# Altium PCB RFID final.PcbDoc (part 1 of 3)
Units mil, origin at the board's own origin, x right, y up, seen from the top; angles counter-clockwise.
Board outline 3215.77 x 4275.01 mil, 6 copper layers (Top Layer, RF_Ground, Power, Gnd, Routing, Bottom_Gnd), stack 29.392 mil thick; 305 components, 201 nets, 969 pads, 176 vias.
Unrouted connection lines stored in the file: 31.
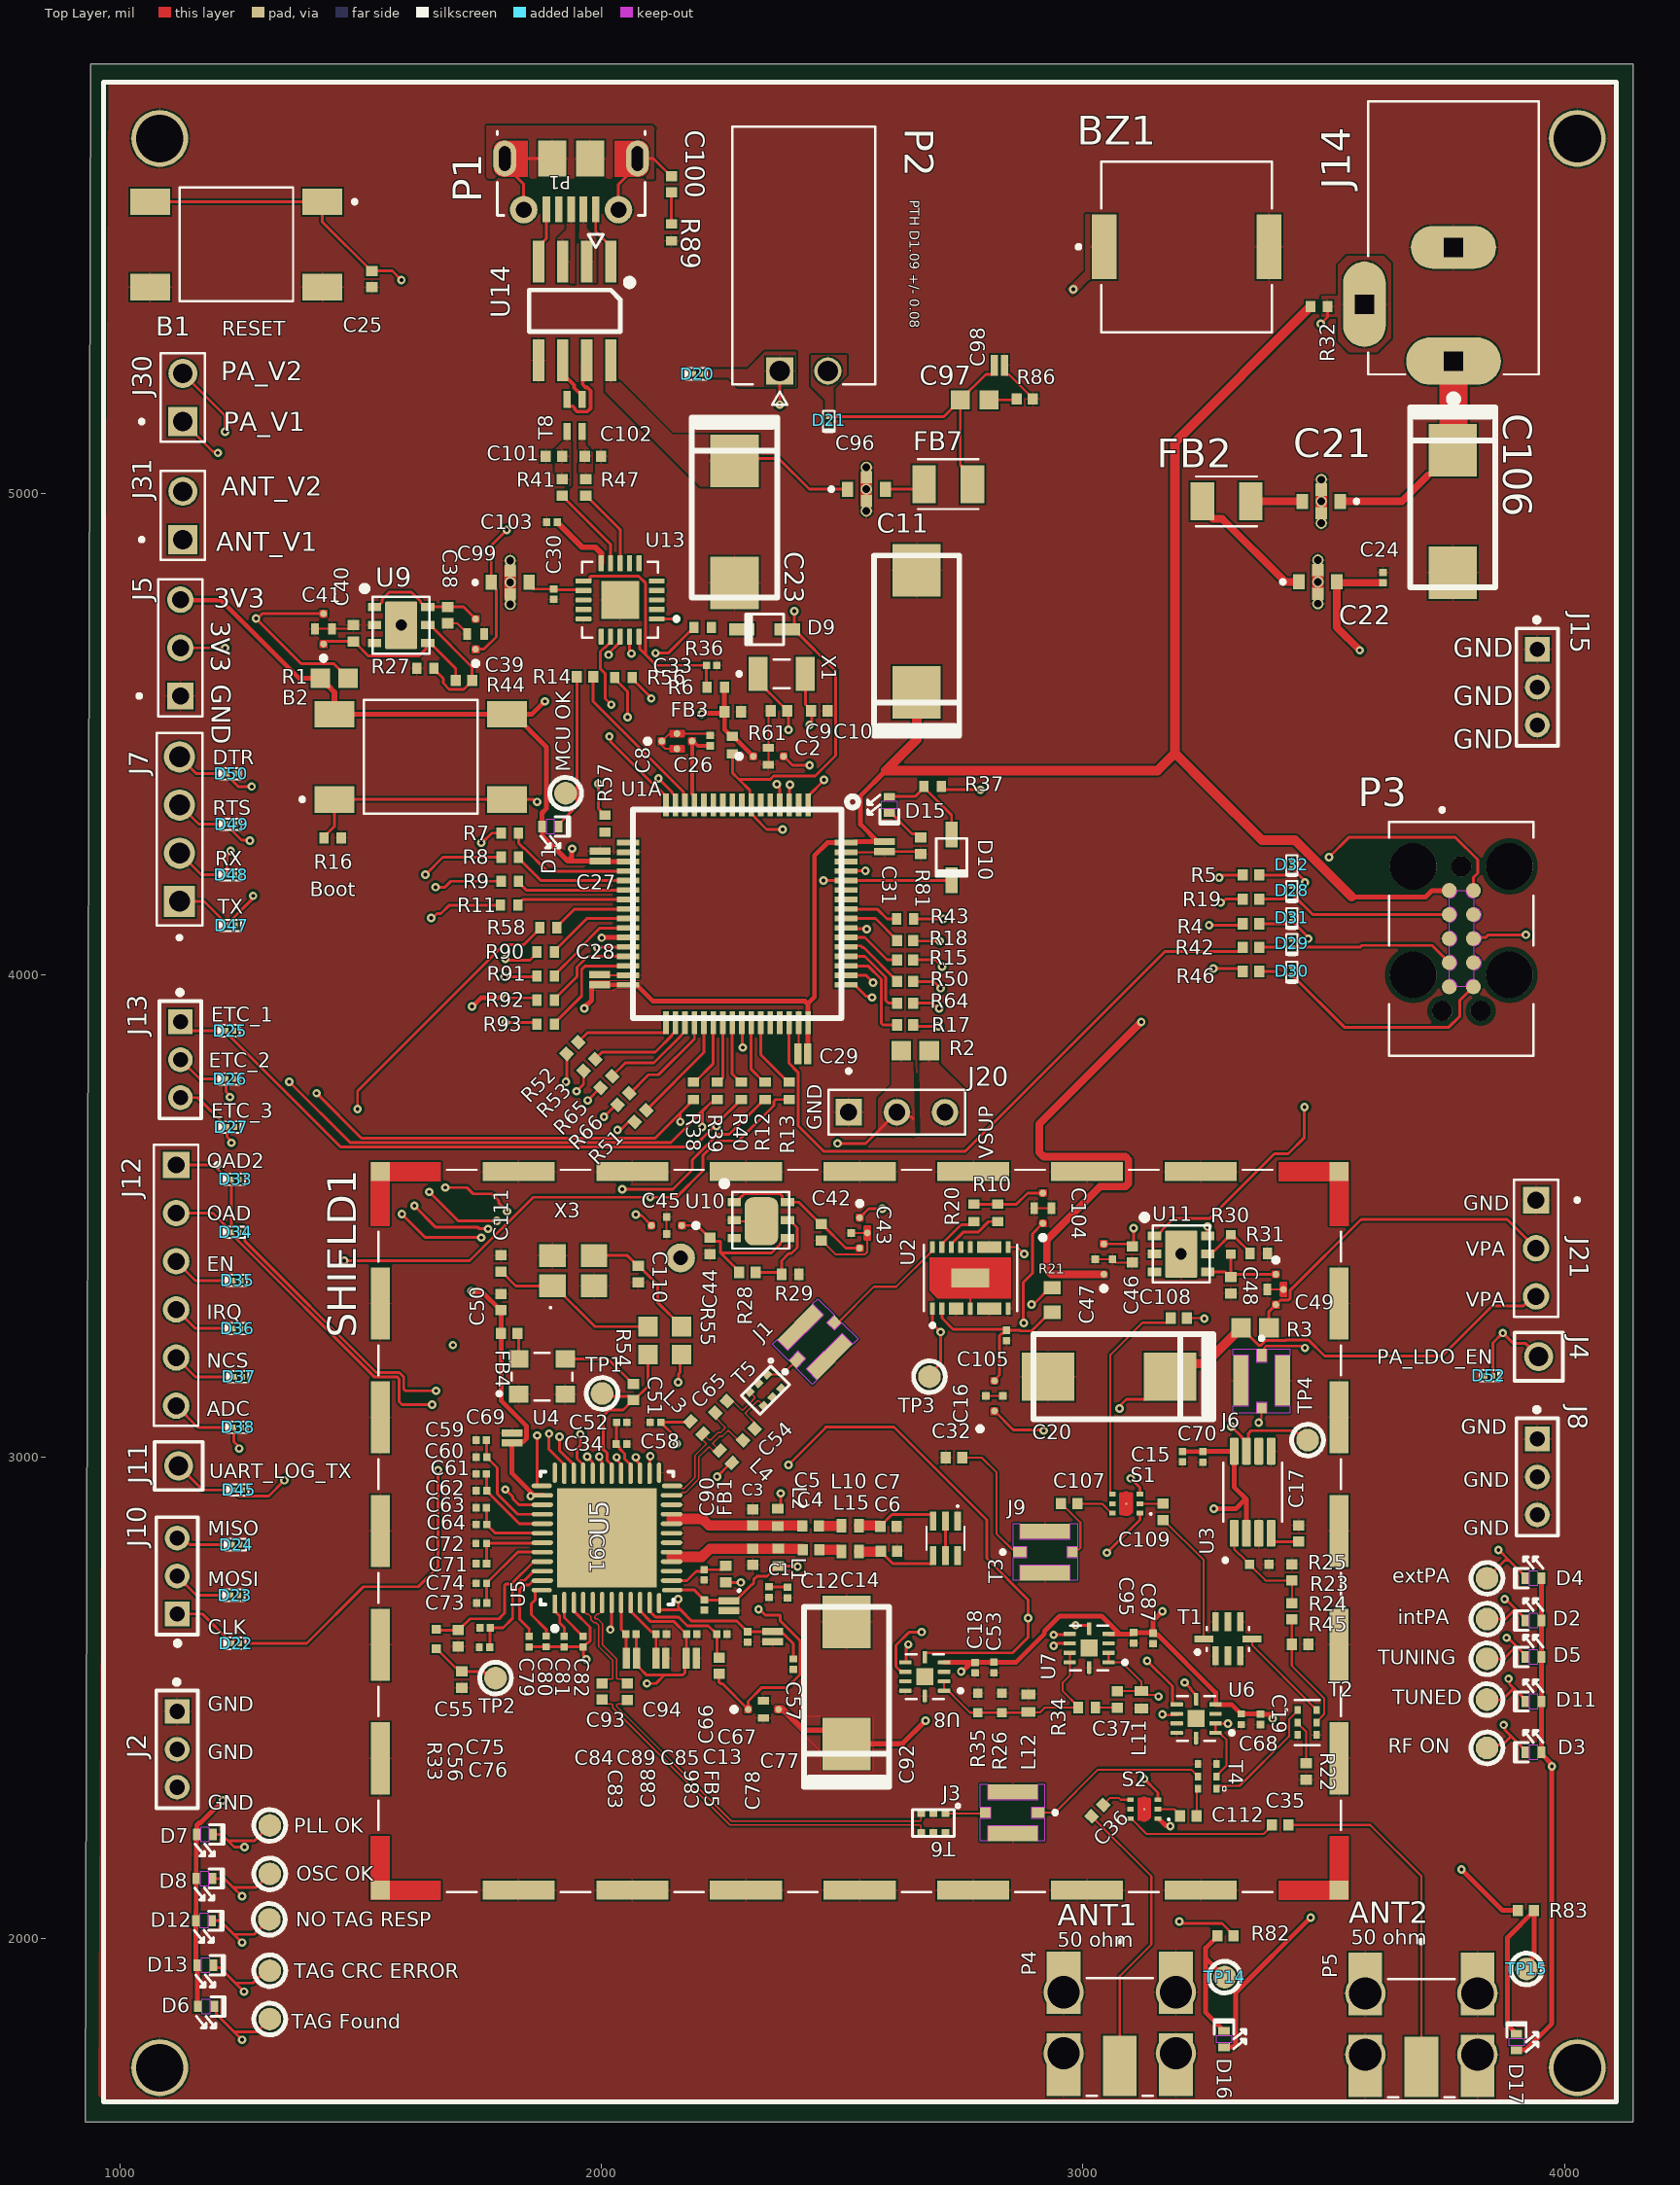
[diagram p0: Top Layer view]
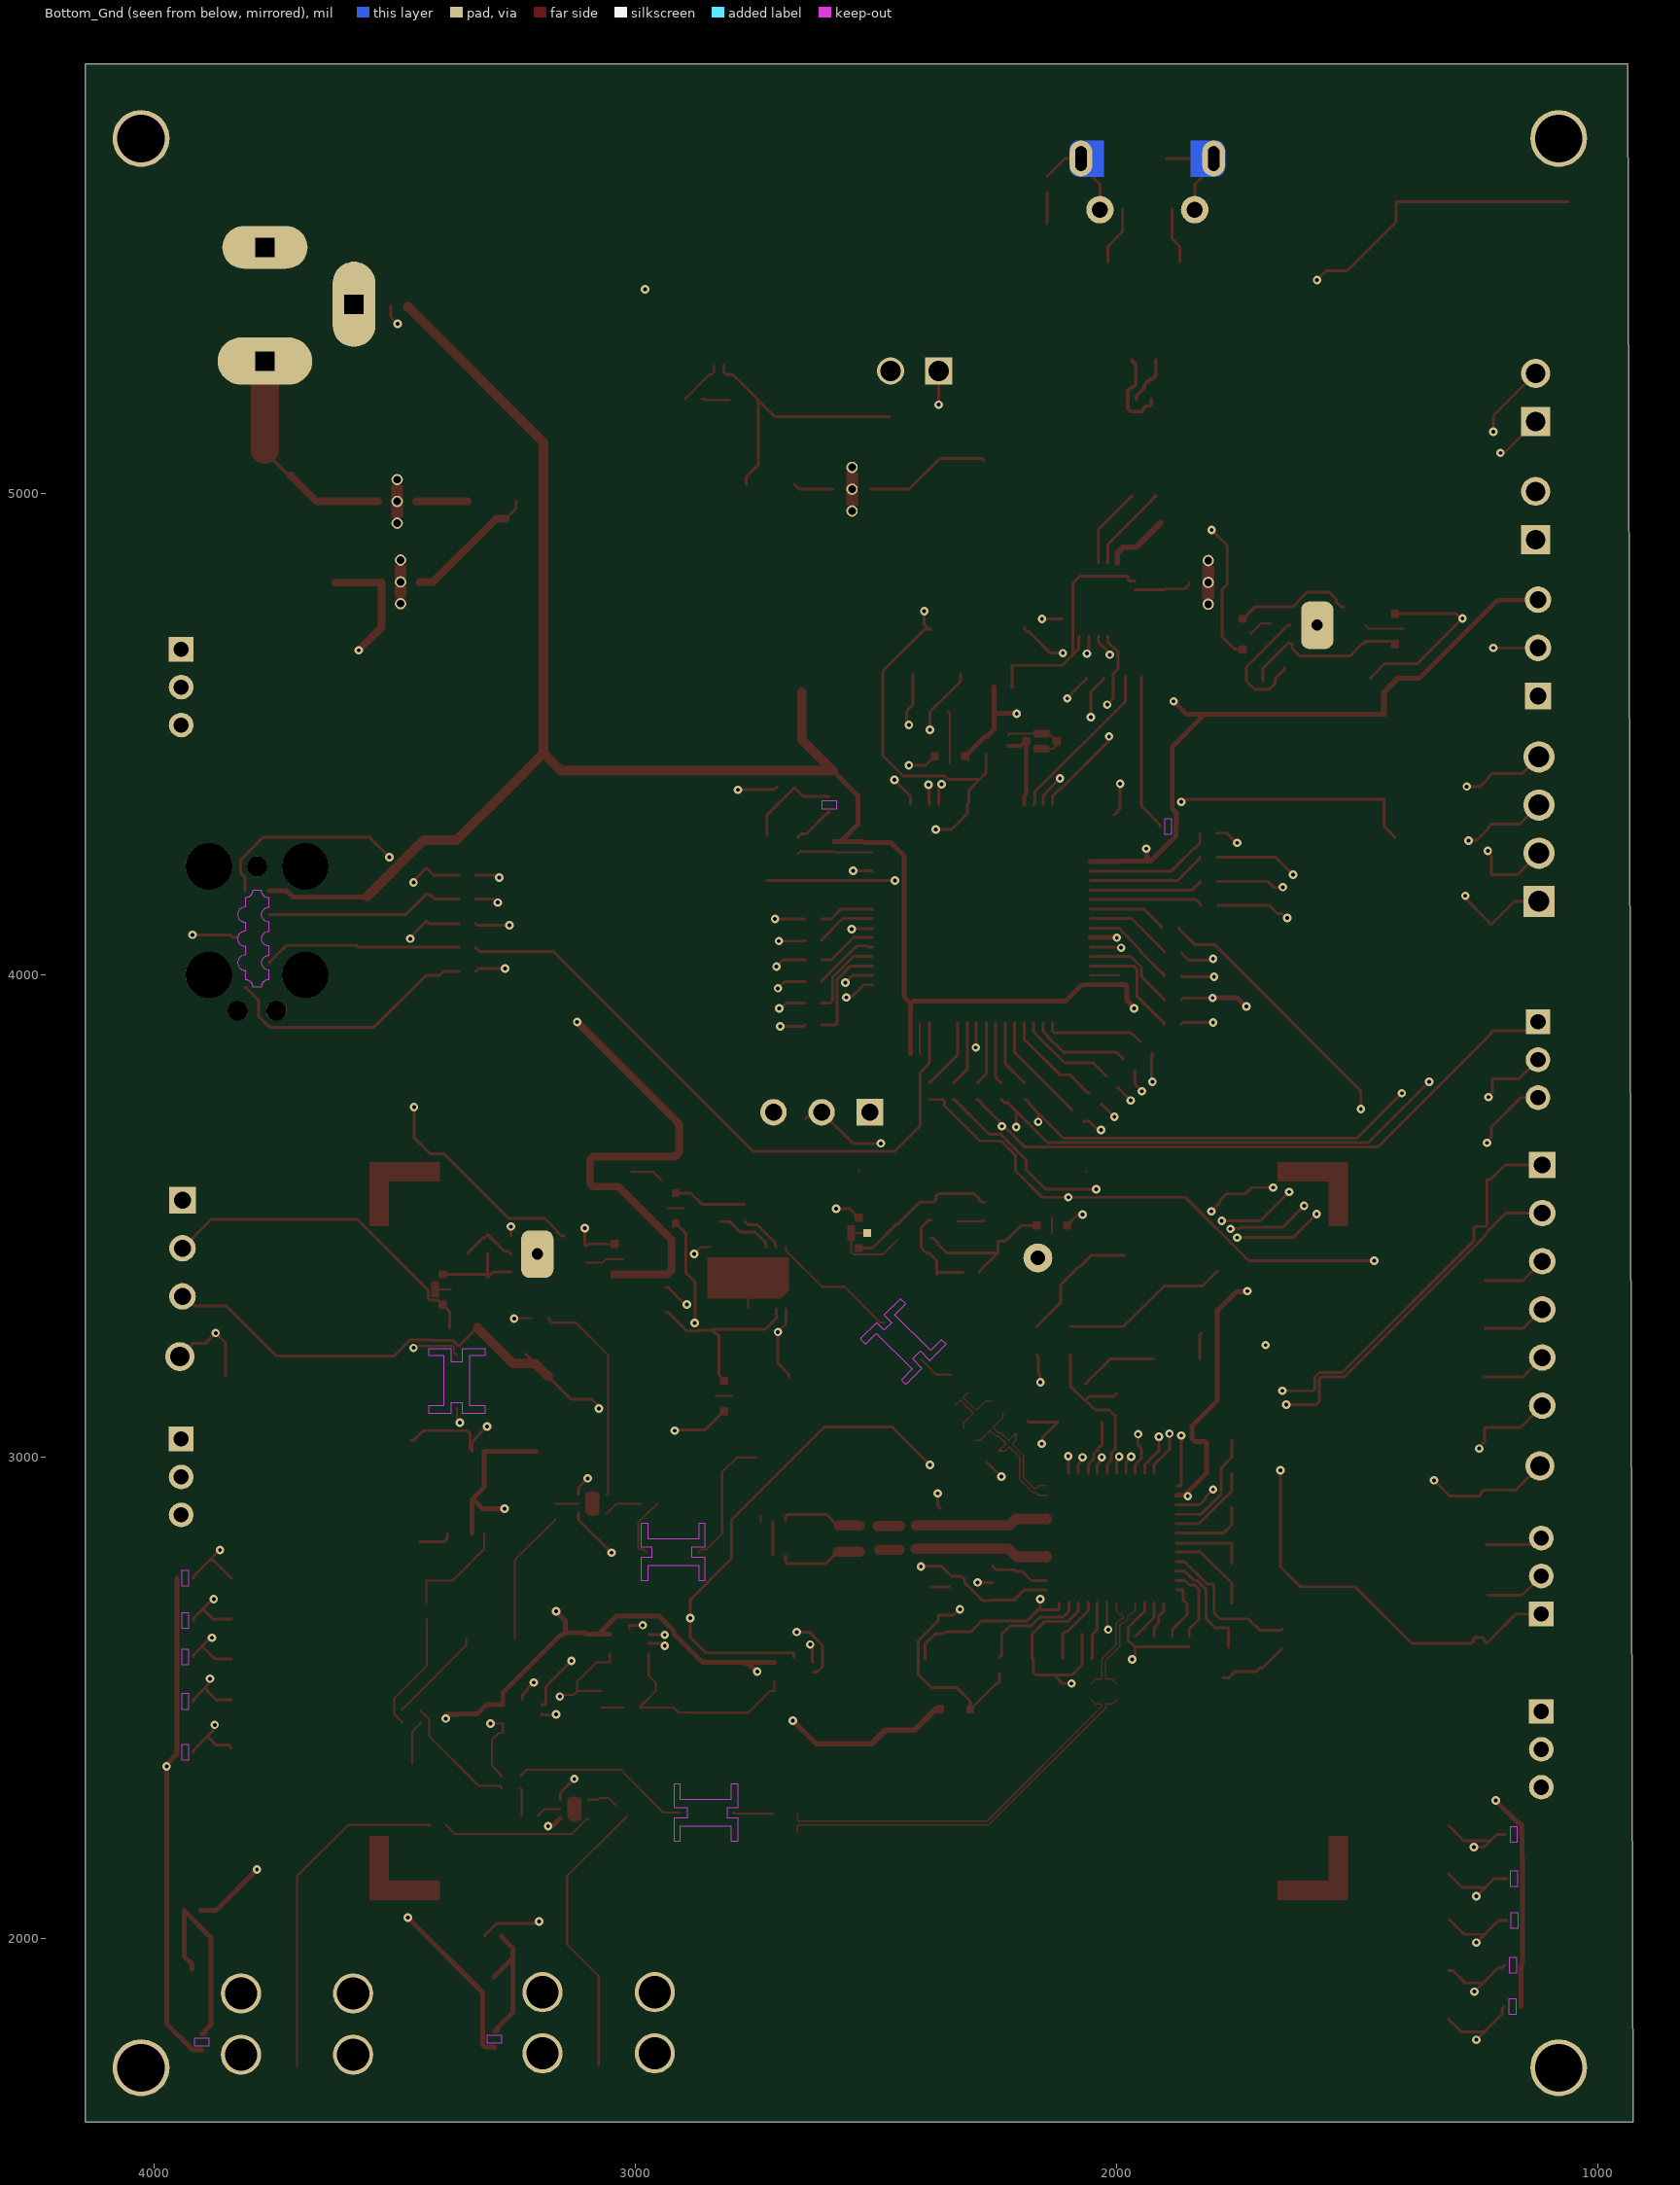
[diagram p1: Bottom_Gnd view, seen from below]
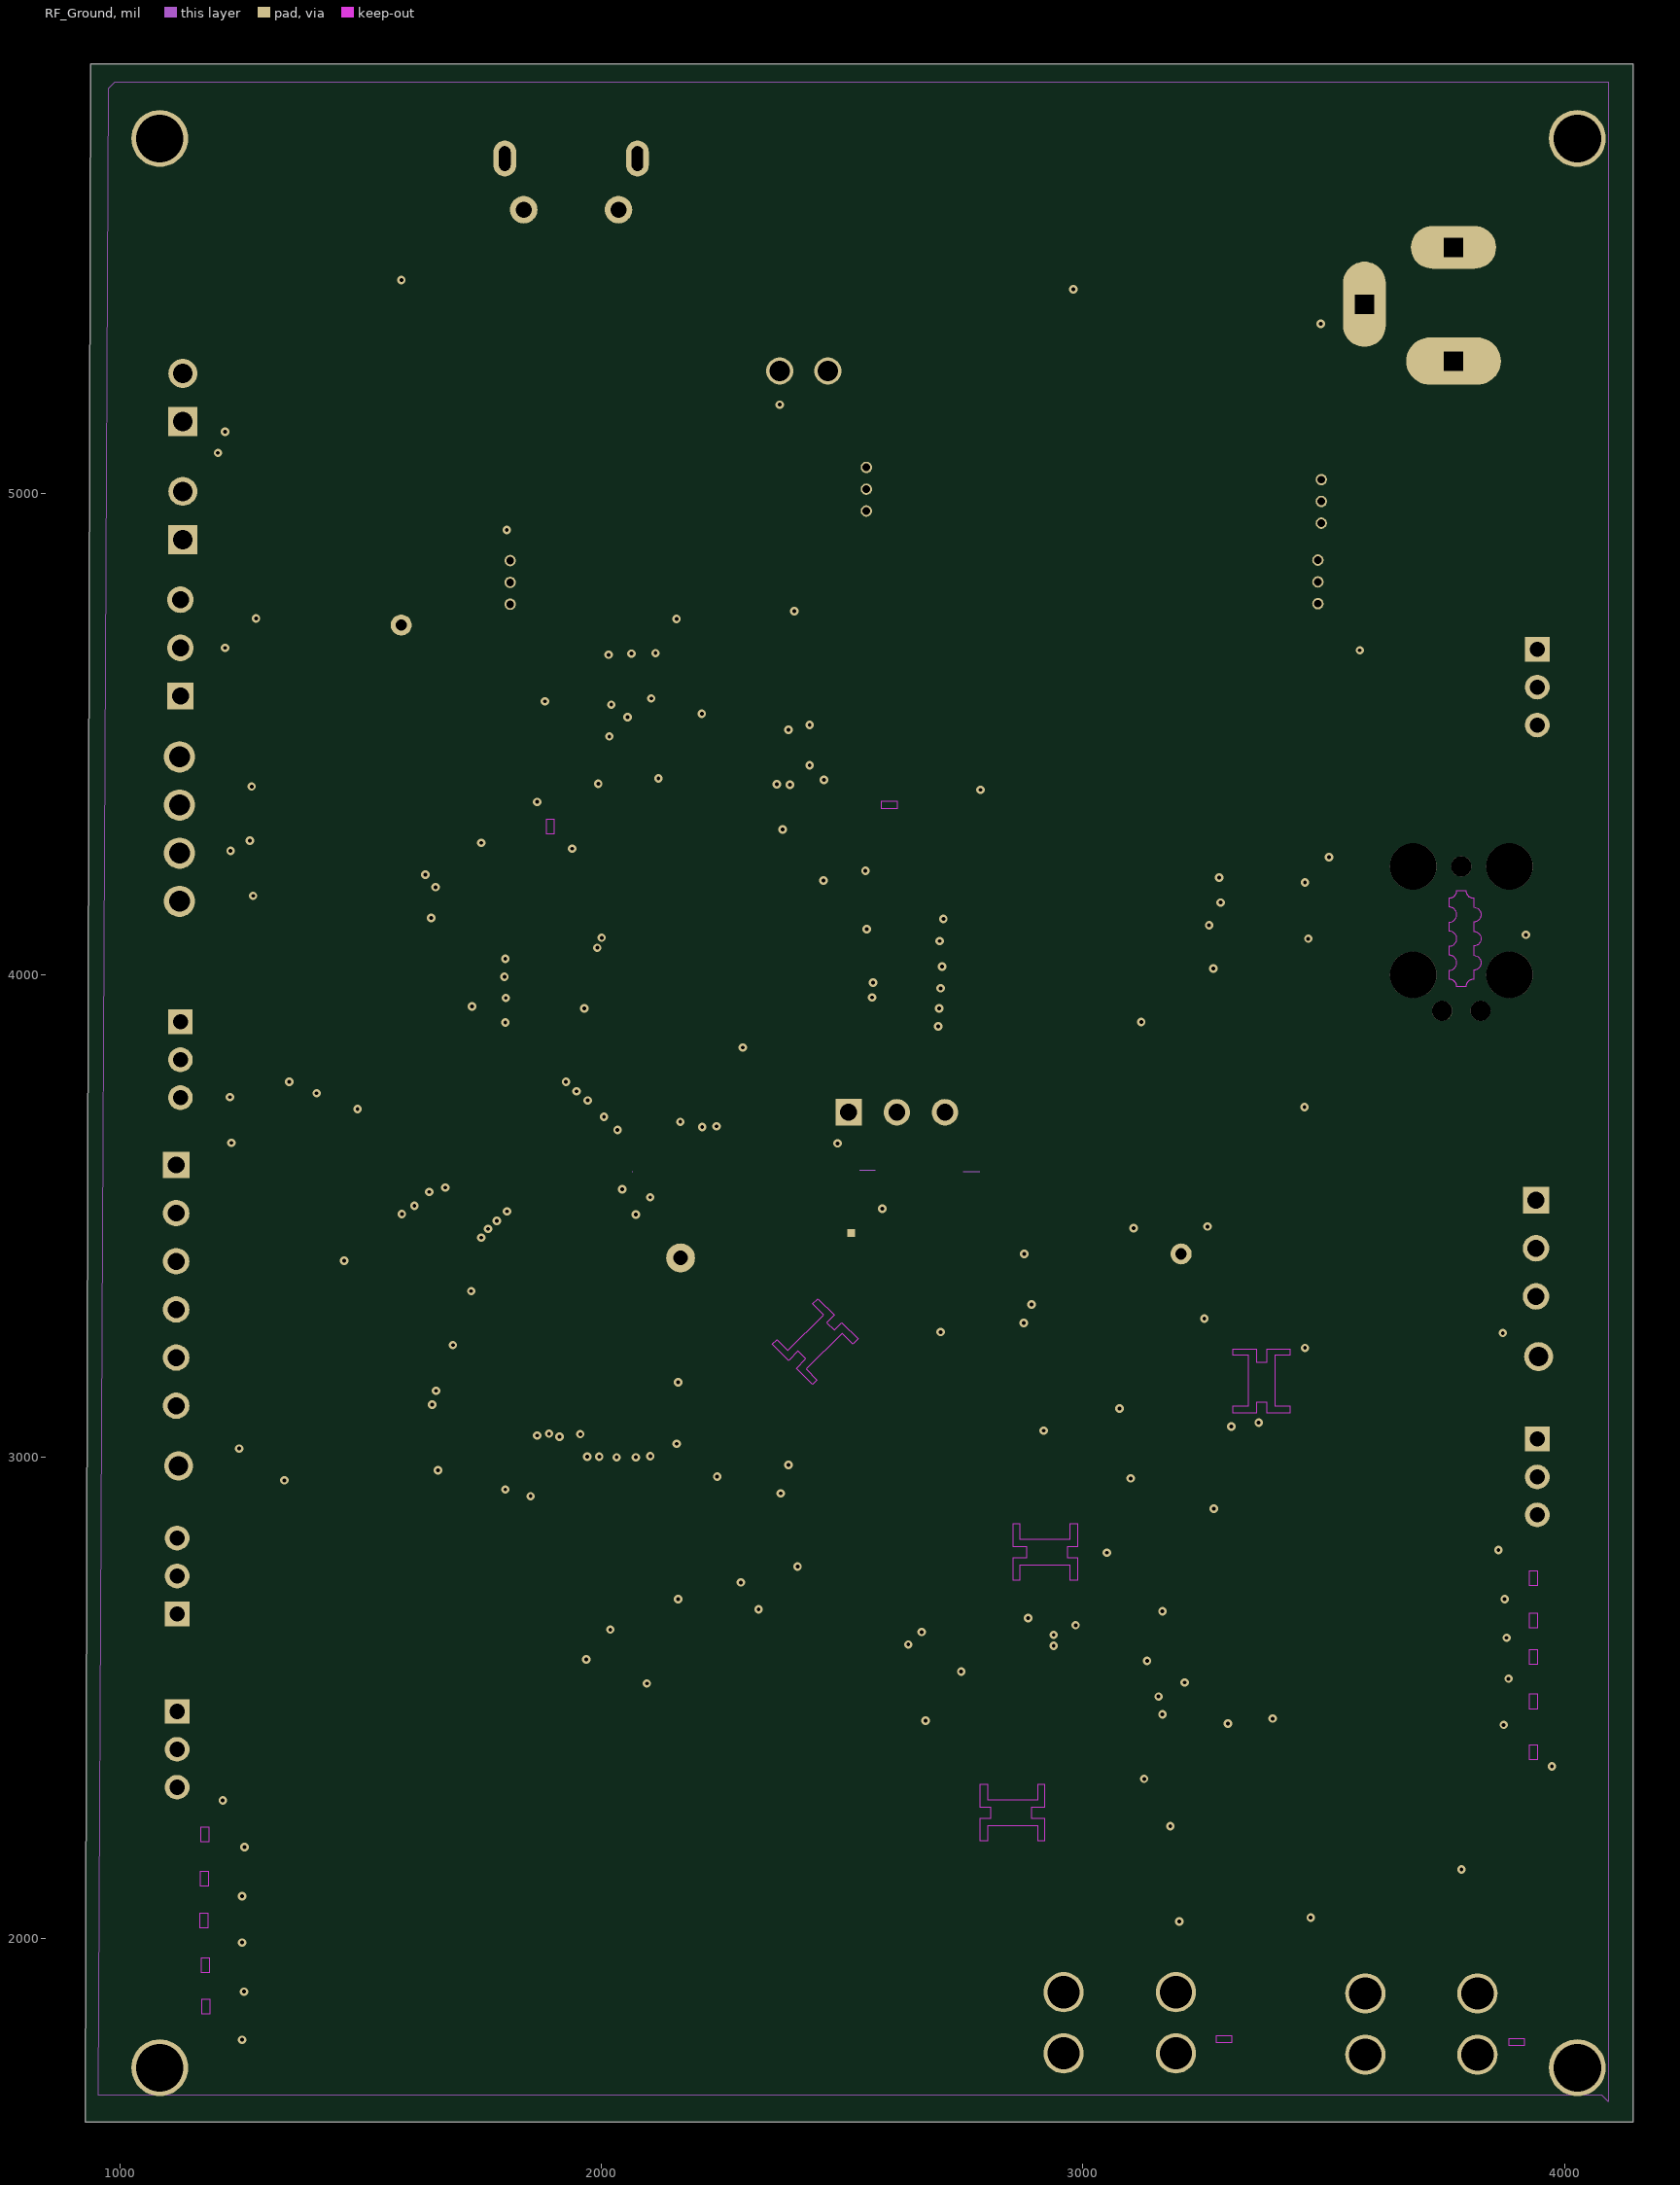
[diagram p2: RF_Ground]
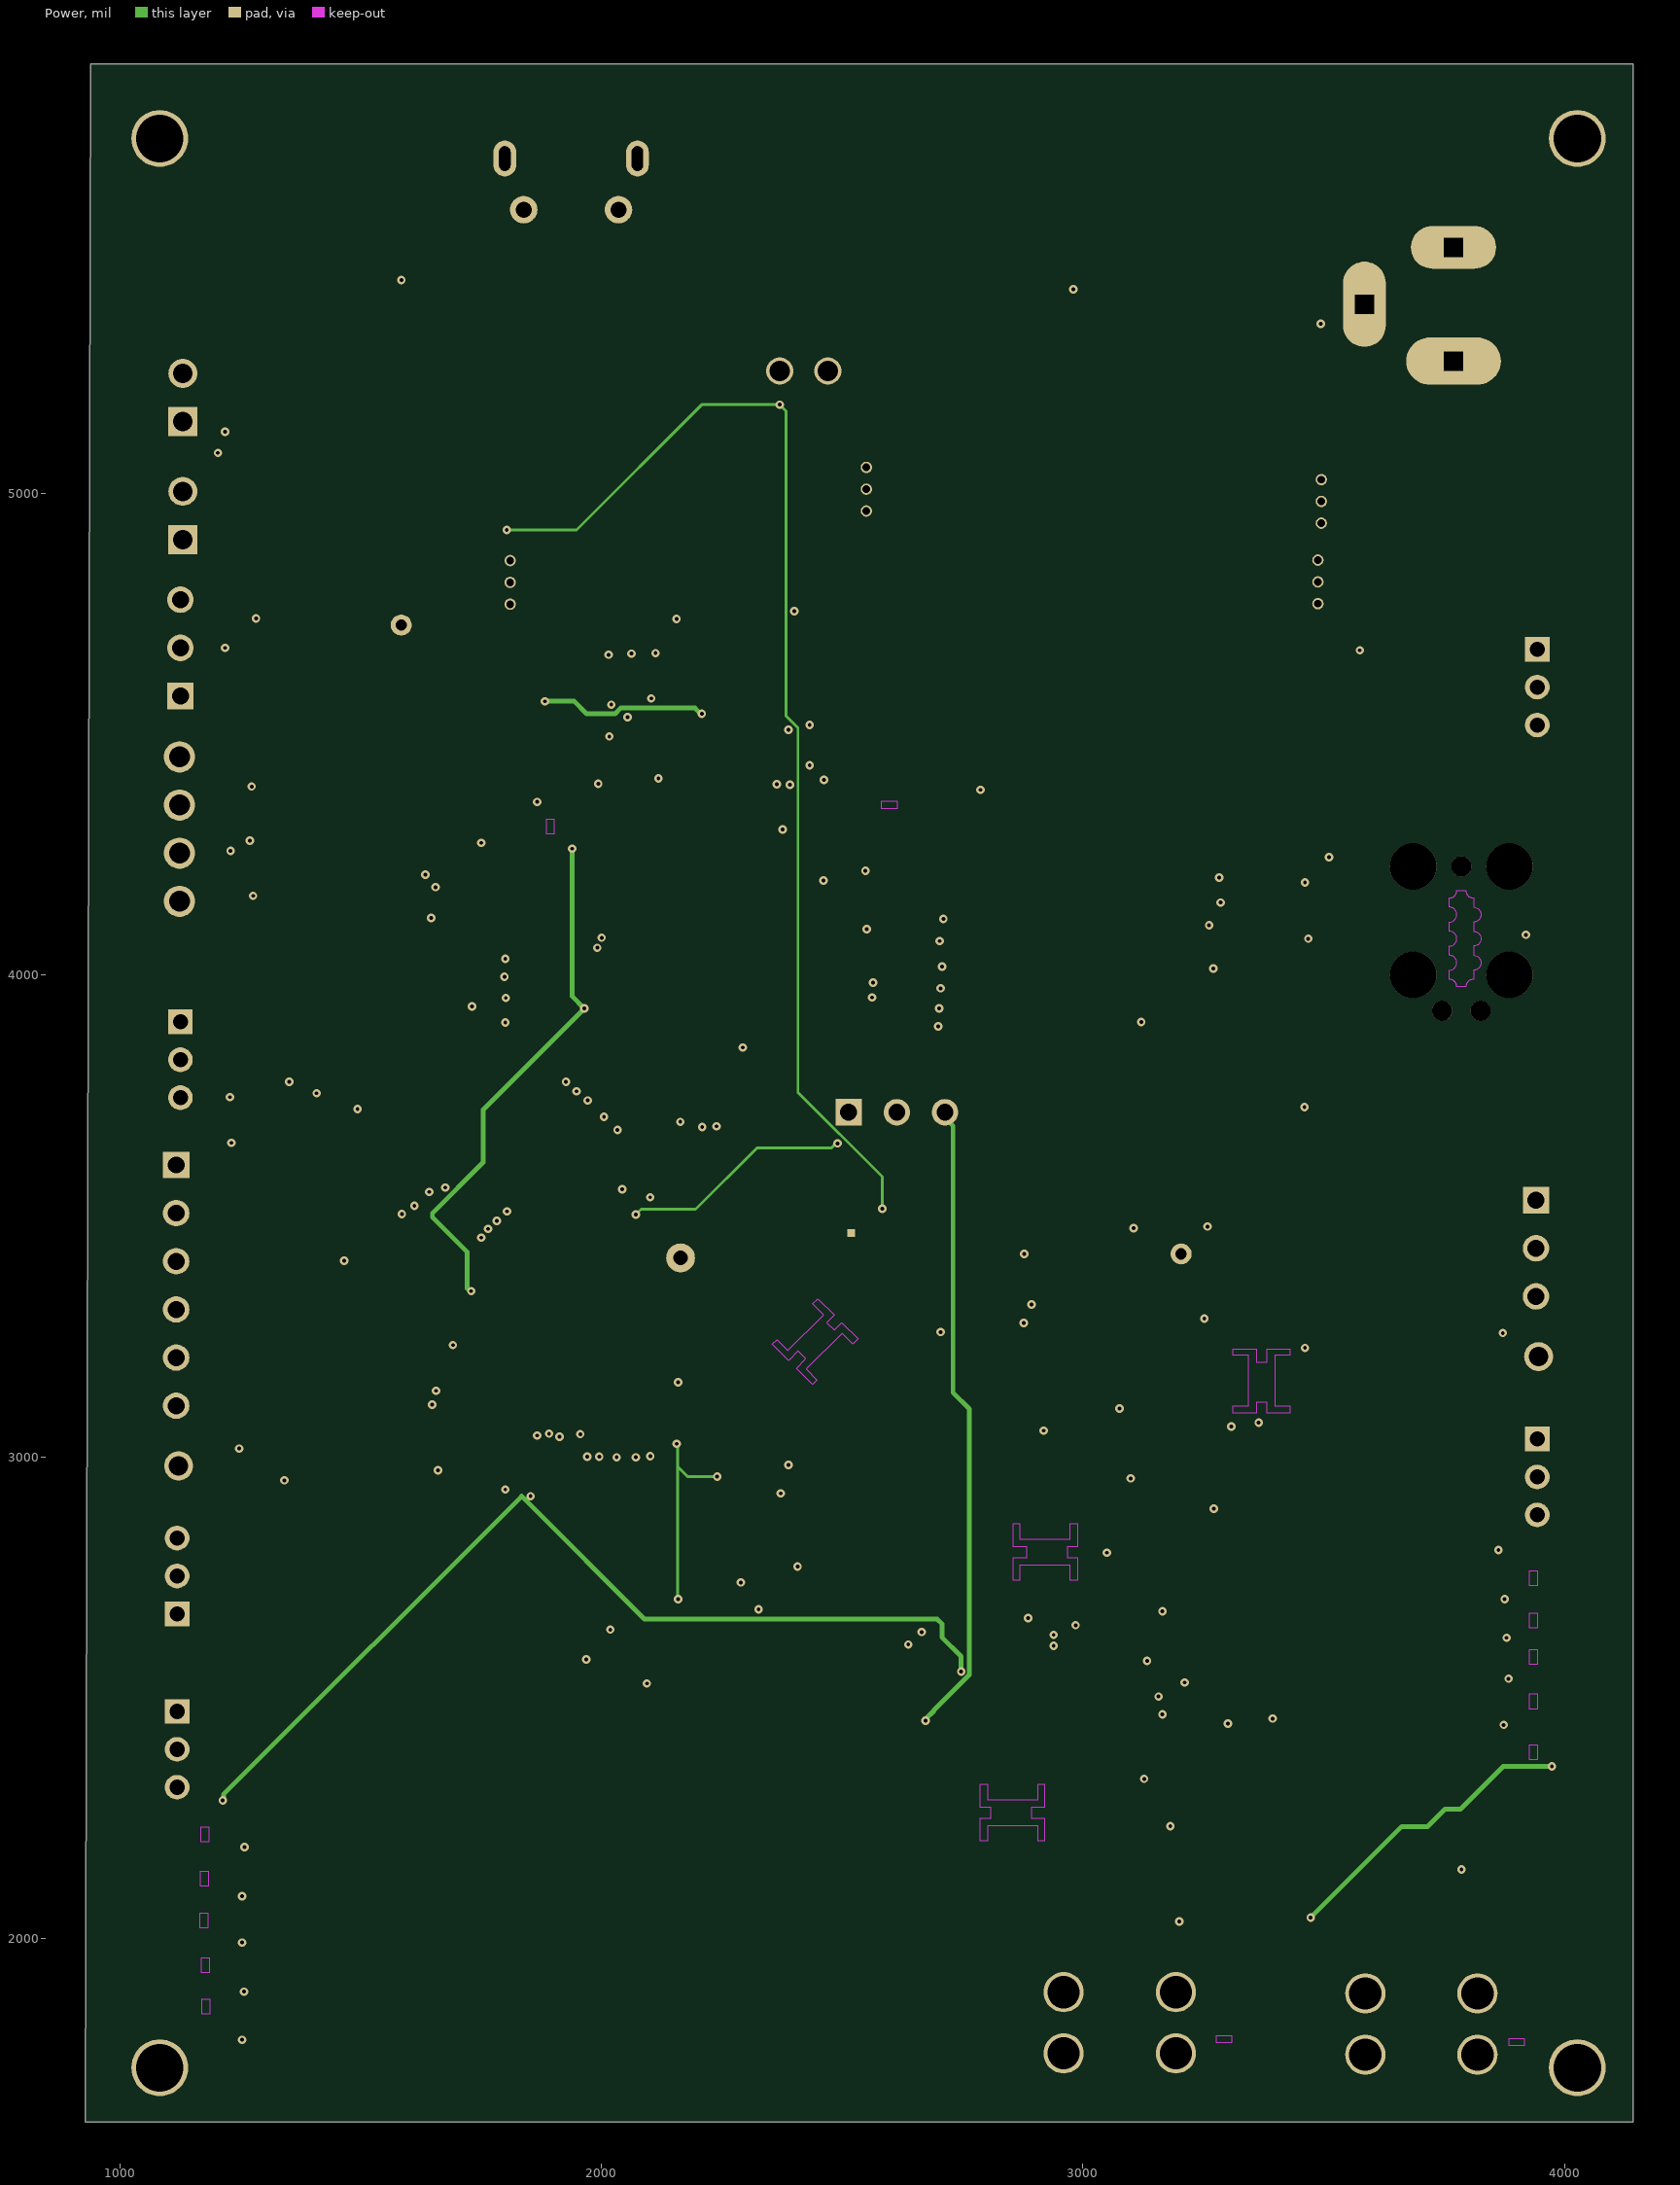
[diagram p3: Power]